# KiCad board SparkFun_Qwiic_WAV_Trigger_Pro_panelized.kicad_pcb (continued)
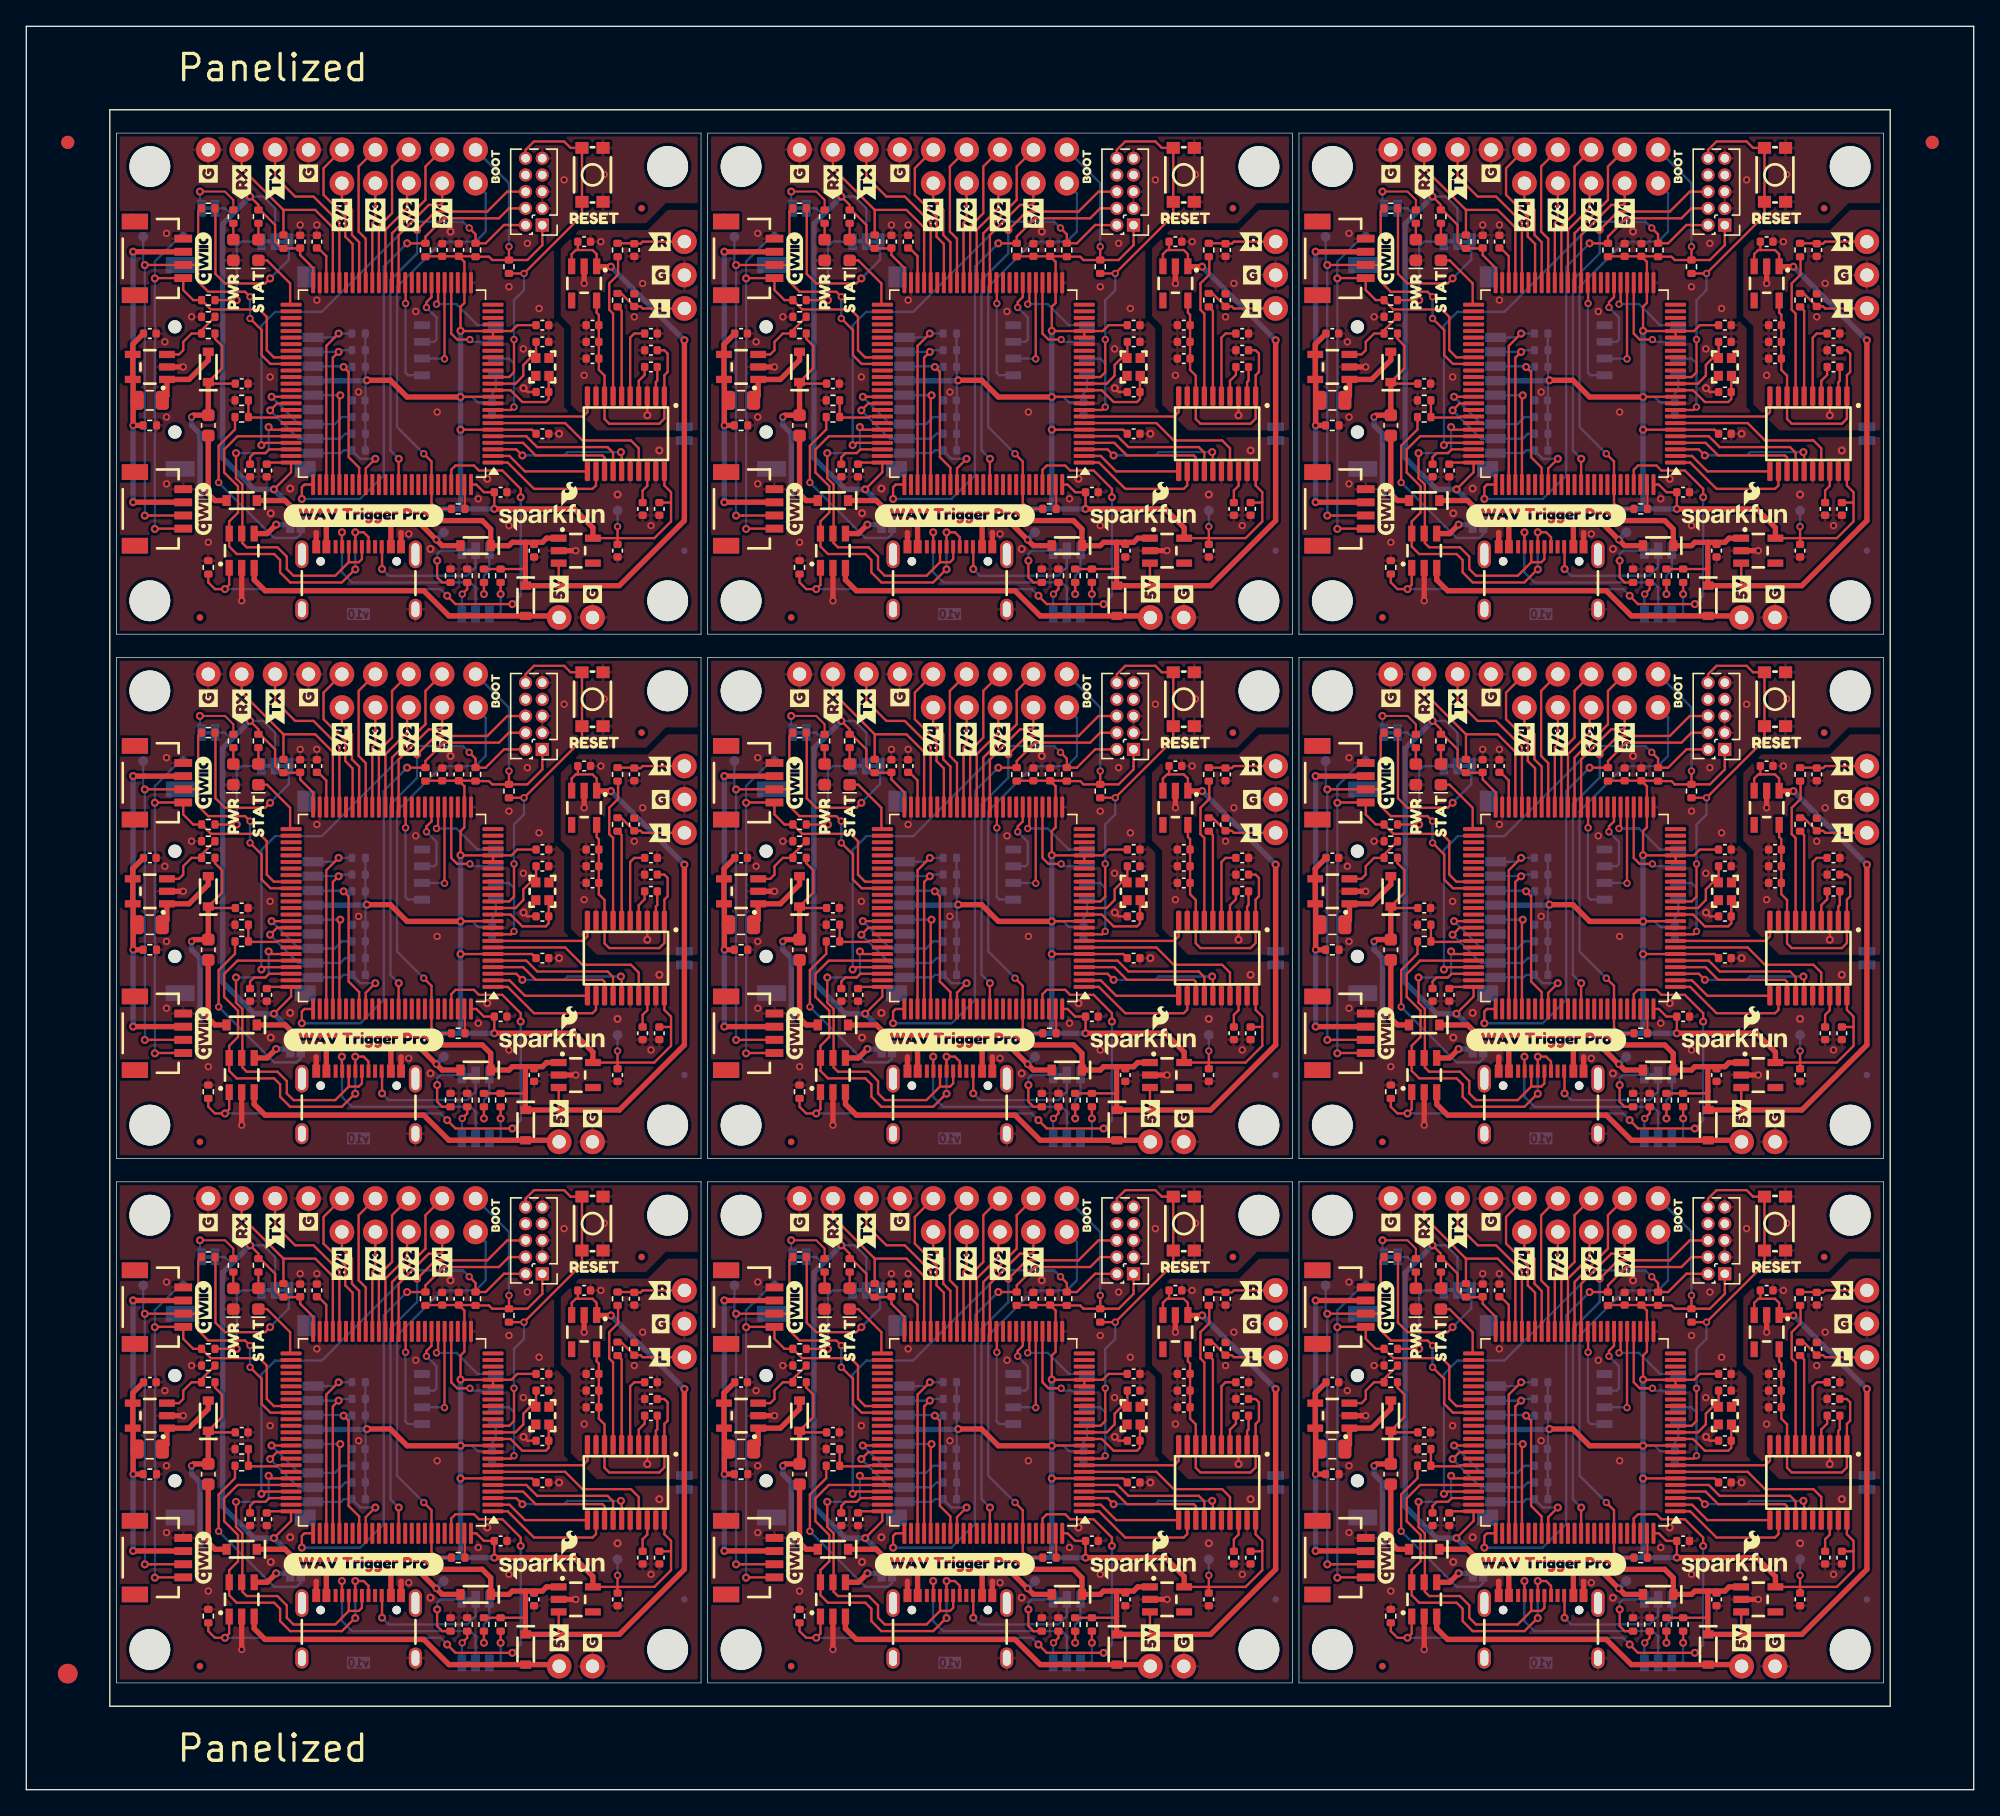
[diagram p0: board, top side]
## Routing (per net, layer and track width the routed paths; a pad name or vN(x,y) marks a point on that pad's centre or on a via; arc(x,y) is an arc through that point) (continued)
/CPU/~{RST}: length 247.5
  Top w0.178: v2(126.98,30.52) 126.98,28.03 126.61,27.67 U3#8.14 ; 81.64,115.29 R7#6.2 v2(82.79,115.29) 87.21,119.71 87.21,119.91 87.2,119.93 SW1#8.1 86.33,124.83 85.84,125.32 83.55,125.32 82.91,124.68 J7#6.10 ; 36.69,75.42 R7#3.2 v2(37.84,75.42) 42.26,79.84 42.26,80.04 42.24,80.06 SW1.1 42.24,84.97 41.38,84.97 40.89,85.45 38.6,85.45 37.95,84.81 J7.10 ; U3#6.14 81.66,107.41 82.03,107.77 v2(82.03,110.26) ; U3.14 126.61,107.41 126.98,107.77 v2(126.98,110.26) ; U3#4.14 36.71,107.41 37.08,107.77 v2(37.08,110.26) ; U3#3.14 36.71,67.54 37.08,67.9 v2(37.08,70.39) ; 81.64,35.55 R7#4.2 v2(82.79,35.55) 87.21,39.97 87.21,40.17 87.2,40.19 SW1#3.1 SW1#3.1 86.33,45.09 85.84,45.58 83.55,45.58 82.91,44.94 J7#3.10 ; J7#8.10 127.86,124.68 128.5,125.32 130.79,125.32 131.28,124.83 SW1#7.1 132.14,119.93 132.16,119.91 132.16,119.71 v2(127.74,115.29) R7#8.2 126.59,115.29 ; 126.59,35.55 R7#2.2 v2(127.74,35.55) 132.16,39.97 132.16,40.17 132.14,40.19 SW1#5.1 SW1#5.1 131.28,45.09 130.79,45.58 128.5,45.58 127.86,44.94 J7#2.10 ; J7#7.10 82.91,84.81 83.55,85.45 85.84,85.45 86.33,84.97 87.2,84.97 SW1#6.1 87.2,80.06 87.21,80.04 87.21,79.84 v2(82.79,75.42) R7#5.2 81.64,75.42 ; v2(82.03,30.52) 82.03,28.03 81.66,27.67 U3#2.14 ; U3#9.14 36.71,27.67 37.08,28.03 v2(37.08,30.52) ; J7#4.10 127.86,84.81 128.5,85.45 130.79,85.45 131.28,84.97 132.14,84.97 SW1#4.1 132.14,80.06 132.16,80.04 132.16,79.84 v2(127.74,75.42) R7#7.2 126.59,75.42 ; U3#7.14 126.61,67.54 126.98,67.9 v2(126.98,70.39) ; 36.69,115.29 R7.2 v2(37.84,115.29) 42.26,119.71 42.26,119.91 42.24,119.93 SW1#2.1 41.38,124.83 40.89,125.32 38.6,125.32 37.95,124.68 J7#5.10 ; 36.69,35.55 R7#9.2 v2(37.84,35.55) 42.26,39.97 42.26,40.17 42.24,40.19 SW1#9.1 SW1#9.1 41.38,45.09 40.89,45.58 38.6,45.58 37.95,44.94 J7#9.10 ; v2(82.03,70.39) 82.03,67.9 81.66,67.54 U3#5.14
  Bottom w0.178: v2(127.74,35.55) 127.74,35.55 127.74,34.28 126.98,33.52 v2(126.98,30.52) ; v2(37.08,30.52) 37.08,33.52 37.84,34.28 37.84,35.55 v2(37.84,35.55) ; v2(82.79,75.42) 82.79,75.42 82.79,74.15 82.03,73.39 v2(82.03,70.39) ; v2(82.03,110.26) 82.03,113.26 82.79,114.02 82.79,115.29 v2(82.79,115.29) ; v2(37.84,115.29) 37.84,115.29 37.84,114.02 37.08,113.26 v2(37.08,110.26) ; v2(82.79,35.55) 82.79,35.55 82.79,34.28 82.03,33.52 v2(82.03,30.52) ; v2(37.08,70.39) 37.08,73.39 37.84,74.15 37.84,75.42 v2(37.84,75.42) ; v2(126.98,70.39) 126.98,73.39 127.74,74.15 127.74,75.42 v2(127.74,75.42) ; v2(127.74,115.29) 127.74,115.29 127.74,114.02 126.98,113.26 v2(126.98,110.26)
LOUT: length 50.4
  Top w0.178: C23#3.1 91.65,33.04 91.8,32.88 J8#3.1 ; C23#3.1 90.18,34.03 R21#7.1 ; C23#3.1 91.14,33.01 ; R21#4.1 90.18,113.77 C23#7.1 ; R21#6.1 45.23,73.9 C23#6.1 ; C23#9.1 46.7,33.04 46.86,32.88 J8#9.1 ; C23#9.1 45.23,34.03 R21#9.1 ; C23#9.1 46.19,33.01 ; 91.14,72.88 C23#8.1 ; C23#8.1 91.65,72.91 91.8,72.75 J8#2.1 ; C23#8.1 90.18,73.9 R21#3.1 ; J8.1 46.86,112.62 46.7,112.78 C23#5.1 ; R21#2.1 45.23,113.77 C23#5.1 ; C23#4.1 135.13,73.9 R21#5.1 ; C23#4.1 136.09,72.88 ; C23#4.1 136.6,72.91 136.75,72.75 J8#5.1 ; C23#6.1 46.19,72.88 ; C23#6.1 46.7,72.91 46.86,72.75 J8#4.1 ; C23#5.1 46.19,112.75 ; 91.14,112.75 C23#7.1 ; C23#7.1 91.65,112.78 91.8,112.62 J8#8.1 ; C23.1 135.13,113.77 R21#8.1 ; C23.1 136.09,112.75 ; C23.1 136.6,112.78 136.75,112.62 J8#6.1 ; J8#7.1 136.75,32.88 136.6,33.04 C23#2.1 ; C23#2.1 135.13,34.03 R21.1 ; C23#2.1 136.09,33.01
ROUT: length 46.4
  Top w0.178: J8#9.3 46.86,37.96 46.7,37.81 C24#9.1 46.19,37.84 R22#9.1 ; R22#2.1 91.14,37.84 C24#4.1 91.65,37.81 91.8,37.96 J8#3.3 ; 94.98,117.7 91.8,117.7 91.65,117.55 C24#3.1 91.14,117.58 R22.1 ; J8#7.3 136.75,37.96 136.6,37.81 C24#7.1 136.09,37.84 R22#4.1 ; J8#4.3 46.86,77.83 46.7,77.68 C24#5.1 46.19,77.71 R22#5.1 ; J8#2.3 91.8,77.83 91.65,77.68 C24.1 91.14,77.71 R22#7.1 ; R22#3.1 136.09,117.58 C24#8.1 136.6,117.55 136.75,117.7 139.93,117.7 ; 50.03,117.7 46.86,117.7 46.7,117.55 C24#6.1 46.19,117.58 R22#6.1 ; R22#8.1 136.09,77.71 C24#2.1 136.6,77.68 136.75,77.83 J8#5.3
VOUT: length 54.3
  Top w0.406: D6#4.A 104.24,98.02 103.73,98.53 L2#7.2 ; D6#8.A 104.24,18.28 103.73,18.79 L2#8.2 ; L2#2.2 13.83,58.66 14.34,58.15 D6#2.A ; D6#3.A 59.29,58.15 58.79,58.66 L2#5.2 ; D6#7.A 104.24,58.15 103.73,58.66 L2#6.2 ; D6.A 14.34,98.02 13.83,98.53 L2#3.2 ; D6#5.A 59.29,98.02 58.79,98.53 L2.2 ; L2#4.2 58.79,18.79 59.29,18.28 D6#6.A ; D6#9.A 14.34,18.28 13.83,18.79 L2#9.2
VUSB: length 287.4
  Top w0.178: R26.2 105.77,23.69 104.52,22.45 v2(104.52,19.65) 104.57,19.6 ; 59.62,19.6 v2(59.57,19.65) 59.57,22.45 60.82,23.69 R26#3.2 ; 14.67,59.47 v2(14.62,59.52) 14.62,62.32 15.86,63.56 R26#6.2 ; R26#4.2 60.82,63.56 59.57,62.32 v2(59.57,59.52) 59.62,59.47 ; R26#9.2 15.86,23.69 14.62,22.45 v2(14.62,19.65) 14.67,19.6 ; R26#7.2 15.86,103.43 14.62,102.19 v2(14.62,99.39) 14.67,99.34 ; R26#2.2 105.77,63.56 104.52,62.32 v2(104.52,59.52) 104.57,59.47 ; R26#8.2 60.82,103.43 59.57,102.19 v2(59.57,99.39) 59.62,99.34 ; R26#5.2 105.77,103.43 104.52,102.19 v2(104.52,99.39) 104.57,99.34
  Top w0.406: D1.A 76.57,14.85 v2(76.12,15.3) 74.76,16.65 72.67,16.65 ; D1#9.A 31.61,14.85 v2(31.17,15.3) 29.81,16.65 27.71,16.65 ; D1#6.A 31.61,54.72 v2(31.17,55.17) 29.81,56.52 27.71,56.52 ; 72.67,96.39 74.76,96.39 v2(76.12,95.04) 76.57,94.59 D1#4.A ; 72.67,96.39 72.67,94.5 ; 72.67,96.39 v1(67.75,96.39) 67.77,94.5 ; J2#8.VBUS 72.67,56.52 ; 72.67,56.52 74.76,56.52 v2(76.12,55.17) 76.57,54.72 D1#8.A ; 72.67,56.52 v1(67.75,56.52) J2#8.VBUS ; 72.67,14.77 72.67,16.65 ; 72.67,16.65 v1(67.75,16.65) 67.77,14.77 ; 27.71,56.52 v1(22.8,56.52) J2.VBUS ; 27.71,56.52 J2.VBUS ; 22.82,14.77 v1(22.8,16.65) 27.71,16.65 ; 117.61,96.39 119.71,96.39 v2(121.07,95.04) 121.52,94.59 D1#7.A ; 117.61,96.39 117.61,94.5 ; 117.61,96.39 v1(112.7,96.39) 112.71,94.5 ; 27.71,16.65 27.71,14.77 ; D1#2.A 31.61,94.59 v2(31.17,95.04) 29.81,96.39 27.71,96.39 ; 27.71,96.39 27.71,94.5 ; 27.71,96.39 v1(22.8,96.39) 22.82,94.5 ; 117.61,16.65 v1(112.7,16.65) 112.71,14.77 ; 117.61,16.65 119.71,16.65 v2(121.07,15.3) 121.52,14.85 D1#3.A ; 117.61,16.65 117.61,14.77 ; J2#7.VBUS v1(112.7,56.52) 117.61,56.52 ; 117.61,56.52 119.71,56.52 v2(121.07,55.17) 121.52,54.72 D1#5.A ; 117.61,56.52 J2#7.VBUS
  Bottom w0.178: JP3#7.2 110.77,15.74 110.47,15.44 108.74,15.44 v2(104.52,19.65) ; v2(59.57,59.52) 63.79,55.31 65.52,55.31 65.82,55.61 JP3#6.2 ; v2(14.62,19.65) 18.84,15.44 20.57,15.44 20.87,15.74 JP3#9.2 ; JP3#8.2 110.77,55.61 110.47,55.31 108.74,55.31 v2(104.52,59.52) ; v2(14.62,59.52) 18.84,55.31 20.57,55.31 20.87,55.61 JP3#2.2 ; v2(59.57,99.39) 63.79,95.18 65.52,95.18 65.82,95.48 JP3#4.2 ; v2(14.62,99.39) 18.84,95.18 20.57,95.18 20.87,95.48 JP3#5.2 ; v2(59.57,19.65) 63.79,15.44 65.52,15.44 65.82,15.74 JP3#3.2 ; JP3.2 110.77,95.48 110.47,95.18 108.74,95.18 v2(104.52,99.39)
  Bottom w0.406: 112.75,16.5 110.82,16.5 JP3#7.2 ; TP3#6.1 v2(121.07,15.3) ; TP3#7.1 v2(76.12,15.3) ; 112.75,56.37 110.82,56.37 JP3#8.2 ; JP3#2.2 20.92,56.37 22.85,56.37 ; 22.85,16.5 20.92,16.5 JP3#9.2 ; 67.8,16.5 65.87,16.5 JP3#3.2 ; TP3#8.1 v2(121.07,55.17) ; JP3#4.2 65.87,96.24 67.8,96.24 ; JP3.2 110.82,96.24 112.75,96.24 ; 67.8,56.37 65.87,56.37 JP3#6.2 ; TP3#5.1 v2(76.12,95.04) ; TP3.1 v2(31.17,95.04) ; TP3#3.1 v2(76.12,55.17) ; TP3#4.1 v2(121.07,95.04) ; JP3#5.2 20.92,96.24 22.85,96.24 ; TP3#9.1 v2(31.17,15.3) ; TP3#2.1 v2(31.17,55.17)
Net-(C8-Pad1): length 26.9
  Top w0.178: 67.76,34.84 67.76,36.87 67.14,37.48 67.04,37.48 ; U3.48 112.7,116.61 112.09,117.22 C8#8.1 ; C8#3.1 67.14,77.35 67.76,76.74 U3#5.48 ; 22.09,37.48 22.19,37.48 22.8,36.87 22.8,34.84 ; C8#4.1 22.19,117.22 22.8,116.61 U3#4.48 ; C8#2.1 22.19,77.35 22.8,76.74 U3#3.48 ; 112.7,34.84 112.7,36.87 112.09,37.48 111.99,37.48 ; U3#7.48 112.7,76.74 112.09,77.35 C8#7.1 ; U3#6.48 67.76,116.61 67.14,117.22 C8.1
Net-(C13-Pad1): length 35.1
  Top w0.178: 110.03,22.17 108.36,22.17 108.08,21.89 107.21,21.89 106.91,21.58 C13#5.1 ; 20.13,62.04 18.46,62.04 18.18,61.76 17.31,61.76 17.01,61.45 C13.1 ; C13#3.1 61.96,61.45 62.26,61.76 63.13,61.76 63.41,62.04 U3#5.73 ; C13#9.1 17.01,21.58 17.31,21.89 18.18,21.89 18.46,22.17 20.13,22.17 ; C13#2.1 17.01,101.32 17.31,101.63 18.18,101.63 18.46,101.91 20.13,101.91 ; U3#2.73 63.41,22.17 63.13,21.89 62.26,21.89 61.96,21.58 C13#8.1 ; 110.03,101.91 108.36,101.91 108.08,101.63 107.21,101.63 106.91,101.32 C13#7.1 ; C13#6.1 106.91,61.45 107.21,61.76 108.08,61.76 108.36,62.04 110.03,62.04 ; C13#4.1 61.96,101.32 62.26,101.63 63.13,101.63 63.41,101.91 U3#6.73
Net-(C27-Pad1): length 146.5
  Top w0.178: R23#4.1 59.3,70.44 59.83,69.91 59.83,68.21 D5#3.C 58.91,67.04 C27#7.1 ; R23#9.1 14.35,30.57 14.88,30.04 14.88,28.34 D5#9.C 13.95,27.17 C27#9.1 ; R23#3.1 14.35,70.44 14.88,69.91 14.88,68.21 D5#8.C 13.95,67.04 C27#4.1 ; R23#6.1 104.24,70.44 104.78,69.91 104.78,68.21 D5.C 103.86,67.04 C27#2.1 ; R23#7.1 59.3,30.57 59.83,30.04 59.83,28.34 D5#7.C 58.91,27.17 C27#6.1 ; C27#3.1 13.95,106.91 D5#6.C 14.88,108.08 14.88,109.78 14.35,110.31 R23.1 ; R23#5.1 59.3,110.31 59.83,109.78 59.83,108.08 D5#2.C 58.91,106.91 C27.1 ; C27#8.1 103.86,27.17 D5#5.C 104.78,28.34 104.78,30.04 104.24,30.57 R23#2.1 ; C27#5.1 103.86,106.91 D5#4.C 104.78,108.08 104.78,109.78 104.24,110.31 R23#8.1
  Top w0.406: v2(12.57,104.37) 12.7,104.51 L2#3.1 D5#6.C ; D5#2.C L2.1 57.66,104.51 v2(57.52,104.37) ; v2(12.57,24.63) 12.7,24.77 L2#9.1 D5#9.C ; v2(57.52,24.63) 57.66,24.77 L2#4.1 D5#7.C ; D5#5.C L2#8.1 102.61,24.77 v2(102.46,24.63) ; v2(102.46,104.37) 102.61,104.51 L2#7.1 D5#4.C ; v2(12.57,64.5) 12.7,64.64 L2#2.1 D5#8.C ; v2(57.52,64.5) 57.66,64.64 L2#5.1 D5#3.C ; v2(102.46,64.5) 102.61,64.64 L2#6.1 D5.C
  Bottom w0.406: v2(57.52,104.37) 57.52,103.73 58.15,103.1 TP1#5.1 ; v2(12.57,104.37) 12.57,103.73 13.2,103.1 TP1#8.1 ; v2(57.52,24.63) 57.52,23.99 58.15,23.36 TP1#2.1 ; v2(102.46,104.37) 102.46,103.73 103.1,103.1 TP1#7.1 ; TP1.1 58.15,63.23 57.52,63.86 v2(57.52,64.5) ; TP1#9.1 13.2,23.36 12.57,23.99 v2(12.57,24.63) ; v2(102.46,24.63) 102.46,23.99 103.1,23.36 TP1#6.1 ; v2(12.57,64.5) 12.57,63.86 13.2,63.23 TP1#4.1 ; TP1#3.1 103.1,63.23 102.46,63.86 v2(102.46,64.5)
Net-(D3-A): length 11.2
  Top w0.178: R6#8.2 D3#3.2 ; R6#3.2 D3#6.2 ; R6#6.2 D3#4.2 ; R6#7.2 D3#8.2 ; R6#9.2 D3#9.2 ; R6#2.2 D3#5.2 ; R6#4.2 D3.2 ; R6#5.2 D3#2.2 ; R6.2 D3#7.2
Net-(D4-A): length 11.2
  Top w0.178: R19#5.2 D4#6.2 ; R19#9.2 D4#9.2 ; R19#3.2 D4#8.2 ; R19#8.2 D4#5.2 ; R19.2 D4#7.2 ; R19#6.2 D4#4.2 ; R19#4.2 D4#2.2 ; R19#7.2 D4#3.2 ; R19#2.2 D4.2
Net-(J2-CC1): length 151.4
  Top w0.178: 68.96,14.77 68.95,14.78 v1(68.95,15.87) ; J2#8.A5 68.95,54.66 v1(68.95,55.74) ; J2#7.A5 113.89,54.66 v1(113.89,55.74) ; 24.02,14.77 23.99,14.78 v1(23.99,15.87) ; 113.92,14.77 113.89,14.78 v1(113.89,15.87) ; 113.92,94.5 113.89,94.52 v1(113.89,95.61) ; v1(23.99,55.74) 23.99,54.66 J2.A5 ; v1(68.95,95.61) 68.95,94.52 68.96,94.5 ; 24.02,94.5 23.99,94.52 v1(23.99,95.61)
  Bottom w0.178: v1(23.99,55.74) 23.99,52.69 24.76,51.93 33.77,51.93 34.16,51.55 JP2#5.2 ; JP2.2 124.05,51.55 123.67,51.93 114.66,51.93 113.89,52.69 v1(113.89,55.74) ; v1(68.95,55.74) 68.95,52.69 69.71,51.93 78.72,51.93 79.11,51.55 JP2#7.2 ; JP2#9.2 34.16,11.68 33.77,12.06 24.76,12.06 23.99,12.82 v1(23.99,15.87) ; JP2#2.2 79.11,11.68 78.72,12.06 69.71,12.06 68.95,12.82 v1(68.95,15.87) ; JP2#4.2 124.05,11.68 123.67,12.06 114.66,12.06 113.89,12.82 v1(113.89,15.87) ; v1(23.99,95.61) 23.99,92.56 24.76,91.8 33.77,91.8 34.16,91.42 JP2#3.2 ; v1(113.89,95.61) 113.89,92.56 114.66,91.8 123.67,91.8 124.05,91.42 JP2#8.2 ; JP2#6.2 79.11,91.42 78.72,91.8 69.71,91.8 68.95,92.56 v1(68.95,95.61)
Net-(J2-CC2): length 95
  Top w0.178: v1(27.04,52.94) 27.04,54.61 J2.B5 ; J2#7.B5 116.94,54.61 v1(116.94,52.94) ; v1(71.99,92.81) 71.99,94.48 71.96,94.5 ; 27.02,14.77 27.04,14.74 v1(27.04,13.07) ; v1(71.99,52.94) 71.99,54.61 J2#8.B5 ; v1(27.04,92.81) 27.04,94.48 27.02,94.5 ; 71.96,14.77 71.99,14.74 v1(71.99,13.07) ; 116.92,94.5 116.94,94.48 v1(116.94,92.81) ; 116.92,14.77 116.94,14.74 v1(116.94,13.07)
  Bottom w0.178: JP1#9.2 34.16,13.2 33.52,12.56 27.55,12.56 v1(27.04,13.07) ; v1(116.94,52.94) 117.45,52.43 123.42,52.43 124.05,53.07 JP1#8.2 ; JP1#7.2 124.05,13.2 123.42,12.56 117.45,12.56 v1(116.94,13.07) ; v1(27.04,52.94) 27.55,52.43 33.52,52.43 34.16,53.07 JP1#4.2 ; JP1#2.2 124.05,92.94 123.42,92.3 117.45,92.3 v1(116.94,92.81) ; JP1.2 79.11,92.94 78.47,92.3 72.5,92.3 v1(71.99,92.81) ; v1(27.04,92.81) 27.55,92.3 33.52,92.3 34.16,92.94 JP1#3.2 ; v1(71.99,52.94) 72.5,52.43 78.47,52.43 79.11,53.07 JP1#6.2 ; v1(71.99,13.07) 72.5,12.56 78.47,12.56 79.11,13.2 JP1#5.2
Net-(J10-Pin_1): length 285.4
  Top w0.178: v2(75.17,21.84) 75.76,21.25 U3#2.94 75.76,18.07 76.18,17.64 R8#3.1 ; v2(120.12,61.71) 120.7,61.12 U3#7.94 120.7,57.94 121.13,57.52 R8#8.1 ; R8#7.1 121.13,17.64 120.7,18.07 U3#8.94 120.7,21.25 v2(120.12,21.84) ; R8#2.1 31.23,57.52 30.8,57.94 U3#3.94 30.8,61.12 v2(30.22,61.71) ; v2(75.17,61.71) 75.76,61.12 U3#5.94 75.76,57.94 76.18,57.52 R8#4.1 ; v2(120.12,101.58) 120.7,100.99 U3.94 120.7,97.81 121.13,97.38 R8.1 ; v2(30.22,101.58) 30.8,100.99 U3#4.94 30.8,97.81 31.23,97.38 R8#5.1 ; v2(30.22,21.84) 30.8,21.25 U3#9.94 30.8,18.07 31.23,17.64 R8#9.1 ; R8#6.1 76.18,97.38 75.76,97.81 U3#6.94 75.76,100.99 v2(75.17,101.58)
  Bottom w0.178: J10#3.1 34.92,121.39 34.92,118.47 34.16,117.7 31.61,117.7 28.19,114.28 28.19,103.61 v2(30.22,101.58) ; v2(120.12,61.71) 118.09,63.74 118.09,74.41 121.52,77.83 124.05,77.83 124.82,78.6 124.82,81.52 J10#7.1 ; J10#5.1 79.87,121.39 79.87,118.47 79.11,117.7 76.57,117.7 73.14,114.28 73.14,103.61 v2(75.17,101.58) ; v2(120.12,21.84) 118.09,23.87 118.09,34.54 121.52,37.96 124.05,37.96 124.82,38.73 124.82,41.65 J10#6.1 ; J10#8.1 124.82,121.39 124.82,118.47 124.05,117.7 121.52,117.7 118.09,114.28 118.09,103.61 v2(120.12,101.58) ; J10#4.1 79.87,81.52 79.87,78.6 79.11,77.83 76.57,77.83 73.14,74.41 73.14,63.74 v2(75.17,61.71) ; J10#2.1 34.92,81.52 34.92,78.6 34.16,77.83 31.61,77.83 28.19,74.41 28.19,63.74 v2(30.22,61.71) ; J10.1 79.87,41.65 79.87,38.73 79.11,37.96 76.57,37.96 73.14,34.54 73.14,23.87 v2(75.17,21.84) ; v2(30.22,21.84) 28.19,23.87 28.19,34.54 31.61,37.96 34.16,37.96 34.92,38.73 34.92,41.65 J10#9.1
Net-(JP1-A): length 44.4
  Top w0.178: v1(121.13,53.58) 121.13,52.31 121.52,51.92 122.15,51.92 ; v1(76.18,13.71) 76.18,12.44 76.57,12.05 R3#2.1 ; v1(31.23,13.71) 31.23,12.44 31.62,12.05 R3#9.1 ; 77.2,51.92 76.57,51.92 76.18,52.31 v1(76.18,53.58) ; R3#8.1 121.52,91.79 121.13,92.18 v1(121.13,93.45) ; v1(31.23,93.45) 31.23,92.18 31.62,91.79 R3#3.1 ; 32.25,51.92 31.62,51.92 31.23,52.31 v1(31.23,53.58) ; v1(121.13,13.71) 121.13,12.44 121.52,12.05 R3#6.1 ; v1(76.18,93.45) 76.18,92.18 76.57,91.79 R3.1
  Bottom w0.178: v1(76.18,53.58) 76.18,54.09 76.44,54.34 JP1#6.1 ; JP1#8.1 121.39,54.34 121.13,54.09 v1(121.13,53.58) ; v1(76.18,93.45) 76.18,93.96 76.44,94.21 JP1.1 ; v1(31.23,53.58) 31.23,54.09 31.49,54.34 JP1#4.1 ; JP1#7.1 121.39,14.47 121.13,14.22 v1(121.13,13.71) ; JP1#3.1 31.49,94.21 31.23,93.96 v1(31.23,93.45) ; v1(121.13,93.45) 121.13,93.96 121.39,94.21 JP1#2.1 ; JP1#5.1 76.44,14.47 76.18,14.22 v1(76.18,13.71) ; JP1#9.1 31.49,14.47 31.23,14.22 v1(31.23,13.71)
Net-(JP1-B): length 39.2
  Top w0.178: R2#6.1 v1(79.74,11.17) ; R2.1 v1(124.69,11.17) ; 79.74,51.92 v1(79.74,51.04) ; 34.79,51.92 v1(34.79,51.04) ; R2#5.1 v1(34.79,90.91) ; R2#7.1 v1(124.69,90.91) ; R2#9.1 v1(34.79,11.17) ; 124.69,51.92 v1(124.69,51.04) ; R2#3.1 v1(79.74,90.91)
  Bottom w0.178: v1(34.79,11.17) 34.79,12.56 35.2,12.97 JP1#9.3 ; JP1#2.3 125.1,92.71 124.69,92.3 v1(124.69,90.91) ; JP1#3.3 35.2,92.71 34.79,92.3 v1(34.79,90.91) ; JP1.3 80.15,92.71 79.74,92.3 v1(79.74,90.91) ; JP1#7.3 125.1,12.97 124.69,12.56 v1(124.69,11.17) ; v1(79.74,11.17) 79.74,12.56 80.15,12.97 JP1#5.3 ; JP1#4.3 35.2,52.84 34.79,52.43 v1(34.79,51.04) ; JP1#8.3 125.1,52.84 124.69,52.43 v1(124.69,51.04) ; v1(79.74,51.04) 79.74,52.43 80.15,52.84 JP1#6.3
Net-(JP2-A): length 23.2
  Top w0.178: v2(123.04,51.04) 123.42,51.42 123.42,51.92 ; v2(123.04,90.91) 123.42,91.29 R5#7.1 ; v2(123.04,11.17) 123.42,11.55 R5#8.1 ; v2(78.09,51.04) 78.47,51.42 78.47,51.92 ; v2(33.14,51.04) 33.52,51.42 33.52,51.92 ; R5#4.1 78.47,11.55 v2(78.09,11.17) ; R5#9.1 33.52,11.55 v2(33.14,11.17) ; R5.1 78.47,91.29 v2(78.09,90.91) ; R5#3.1 33.52,91.29 v2(33.14,90.91)
  Bottom w0.178: JP2#5.1 33.11,51.01 v2(33.14,51.04) ; JP2.1 123.01,51.01 v2(123.04,51.04) ; v2(78.09,51.04) 78.06,51.01 JP2#7.1 ; v2(78.09,11.17) 78.06,11.14 JP2#2.1 ; v2(33.14,11.17) 33.11,11.14 JP2#9.1 ; JP2#8.1 123.01,90.88 v2(123.04,90.91) ; v2(78.09,90.91) 78.06,90.88 JP2#6.1 ; v2(123.04,11.17) 123.01,11.14 JP2#4.1 ; JP2#3.1 33.11,90.88 v2(33.14,90.91)
Net-(JP2-B): length 28.8
  Top w0.178: R4.1 v1(36.06,90.91) ; R4#9.1 v1(36.06,11.17) ; R4#5.1 v1(81.01,90.91) ; 36.06,51.92 v1(36.06,51.04) ; 81.01,51.92 v1(81.01,51.04) ; R4#8.1 v1(125.96,90.91) ; R4#6.1 v1(125.96,11.17) ; 125.96,51.92 v1(125.96,51.04) ; R4#4.1 v1(81.01,11.17)
  Bottom w0.178: v1(36.06,11.17) 36.06,9.77 35.93,9.64 JP2#9.3 ; JP2#4.3 125.83,9.64 125.96,9.77 v1(125.96,11.17) ; v1(36.06,51.04) 36.06,49.64 35.93,49.51 JP2#5.3 ; JP2#3.3 35.93,89.38 36.06,89.51 v1(36.06,90.91) ; v1(81.01,90.91) 81.01,89.51 80.88,89.38 JP2#6.3 ; v1(81.01,51.04) 81.01,49.64 80.88,49.51 JP2#7.3 ; JP2#2.3 80.88,9.64 81.01,9.77 v1(81.01,11.17) ; v1(125.96,51.04) 125.96,49.64 125.83,49.51 JP2.3 ; v1(125.96,90.91) 125.96,89.51 125.83,89.38 JP2#8.3
Net-(JP3-A): length 27.1
  Top w0.406: v1(18.99,96.19) 18.31,95.51 U1#7.4 ; v1(108.89,96.19) 108.21,95.51 U1#5.4 ; v1(108.89,56.32) 108.21,55.64 U1#8.4 ; v1(63.94,96.19) 63.26,95.51 U1#3.4 ; U1#6.4 108.21,15.77 v1(108.89,16.45) ; v1(18.99,16.45) 18.31,15.77 U1#9.4 ; U1.4 18.31,55.64 v1(18.99,56.32) ; v1(63.94,56.32) 63.26,55.64 U1#4.4 ; U1#2.4 63.26,15.77 v1(63.94,16.45)
  Bottom w0.406: v1(18.99,96.19) JP3#5.1 ; v1(108.89,16.45) JP3#7.1 ; v1(63.94,56.32) 65.01,56.32 ; v1(63.94,96.19) 65.01,96.19 ; v1(18.99,56.32) JP3#2.1 ; v1(108.89,56.32) JP3#8.1 ; v1(108.89,96.19) JP3.1 ; v1(63.94,16.45) 65.01,16.45 ; v1(18.99,16.45) JP3#9.1
Net-(JP4-A): length 45
  Top w0.152: v1(13.2,41.77) 15.11,41.77 15.74,41.14 R6#9.1 ; R6#5.1 15.74,81.01 15.11,81.64 v1(13.2,81.64) ; R6#8.1 105.64,120.88 105.01,121.51 v1(103.1,121.51) ; R6#7.1 105.64,41.14 105.01,41.77 v1(103.1,41.77) ; v1(103.1,81.64) 105.01,81.64 105.64,81.01 R6#6.1 ; v1(58.15,41.77) 60.05,41.77 60.69,41.14 R6#2.1 ; v1(58.15,121.51) 60.05,121.51 60.69,120.88 R6.1 ; v1(13.2,121.51) 15.11,121.51 15.74,120.88 R6#4.1 ; R6#3.1 60.69,81.01 60.05,81.64 v1(58.15,81.64)
  Top w0.178: R6#9.1 15.61,40.38 ; R6#3.1 60.57,80.25 ; R6#5.1 15.61,80.25 ; R6#7.1 105.52,40.38 ; R6#8.1 105.52,120.12 ; R6.1 60.57,120.12 ; R6#6.1 105.52,80.25 ; R6#2.1 60.57,40.38 ; R6#4.1 15.61,120.12
  Bottom w0.152: JP4#3.1 103.1,120.36 v1(103.1,121.51) ; v1(13.2,121.51) 13.2,120.36 JP4#5.1 ; v1(103.1,81.64) 103.1,80.49 JP4#8.1 ; JP4#9.1 13.2,40.62 v1(13.2,41.77) ; JP4#7.1 58.15,120.36 v1(58.15,121.51) ; JP4.1 103.1,40.62 v1(103.1,41.77) ; v1(58.15,41.77) 58.15,40.62 JP4#4.1 ; JP4#2.1 13.2,80.49 v1(13.2,81.64) ; v1(58.15,81.64) 58.15,80.49 JP4#6.1
Net-(JP5-A): length 117
  Top w0.178: v1(108.43,75.04) 108.05,74.66 105.01,74.66 104.28,75.38 104.28,80.34 R15#7.1 ; v1(63.48,75.04) 63.1,74.66 60.05,74.66 59.33,75.38 59.33,80.34 R15#4.1 ; R15#6.1 104.28,40.47 104.28,35.51 105.01,34.79 108.05,34.79 v1(108.43,35.17) ; v1(63.48,114.91) 63.1,114.53 60.05,114.53 59.33,115.25 59.33,120.21 R15#5.1 ; R15#2.1 14.38,120.21 14.38,115.25 15.11,114.53 18.15,114.53 v1(18.53,114.91) ; R15#8.1 104.28,120.21 104.28,115.25 105.01,114.53 108.05,114.53 v1(108.43,114.91) ; R15.1 14.38,80.34 14.38,75.38 15.11,74.66 18.15,74.66 v1(18.53,75.04) ; R15#9.1 14.38,40.47 14.38,35.51 15.11,34.79 18.15,34.79 v1(18.53,35.17) ; v1(63.48,35.17) 63.1,34.79 60.05,34.79 59.33,35.51 59.33,40.47 R15#3.1
  Bottom w0.178: JP5#3.1 109.86,76.46 v1(108.43,75.04) ; JP5#2.1 19.96,76.46 v1(18.53,75.04) ; v1(63.48,75.04) 64.91,76.46 JP5#4.1 ; JP5#5.1 19.96,116.33 v1(18.53,114.91) ; JP5#8.1 109.86,116.33 v1(108.43,114.91) ; JP5#6.1 109.86,36.59 v1(108.43,35.17) ; v1(63.48,114.91) 64.91,116.33 JP5.1 ; JP5#7.1 64.91,36.59 v1(63.48,35.17) ; v1(18.53,35.17) 19.96,36.59 JP5#9.1
Net-(JP5-B): length 69.8
  Top w0.178: R11.1 v1(60.94,73.39) ; R11#4.1 v1(60.94,33.52) ; R11#8.1 v1(15.99,113.26) ; R11#9.1 v1(15.99,33.52) ; R11#2.1 v1(15.99,73.39) ; R11#5.1 v1(105.89,113.26) ; R11#3.1 v1(105.89,73.39) ; R11#6.1 v1(60.94,113.26) ; R11#7.1 v1(105.89,33.52)
  Bottom w0.178: v1(15.99,73.39) 15.99,77.45 16.38,77.83 JP5#2.3 ; v1(60.94,73.39) 60.94,77.45 61.33,77.83 JP5#4.3 ; JP5#3.3 106.27,77.83 105.89,77.45 v1(105.89,73.39) ; JP5#7.3 61.33,37.96 60.94,37.58 v1(60.94,33.52) ; JP5#6.3 106.27,37.96 105.89,37.58 v1(105.89,33.52) ; JP5#8.3 106.27,117.7 105.89,117.32 v1(105.89,113.26) ; v1(15.99,113.26) 15.99,117.32 16.38,117.7 JP5#5.3 ; JP5#9.3 16.38,37.96 15.99,37.58 v1(15.99,33.52) ; JP5.3 61.33,117.7 60.94,117.32 v1(60.94,113.26)
Net-(U3-PH0): length 58.3
  Top w0.178: U3#4.12 36.81,106.41 37.71,105.51 39.49,105.51 39.71,105.74 C11#8.2 39.71,107.48 39.73,107.5 ; U3.12 126.71,106.41 127.61,105.51 129.39,105.51 129.62,105.74 C11#7.2 129.62,107.48 129.63,107.5 ; U3#2.12 81.76,26.67 82.66,25.77 84.44,25.77 84.67,26 C11.2 84.67,27.74 Y1#4.2 ; U3#6.12 81.76,106.41 82.66,105.51 84.44,105.51 84.67,105.74 C11#5.2 84.67,107.48 84.68,107.5 ; U3#7.12 126.71,66.54 127.61,65.64 129.39,65.64 129.62,65.87 C11#6.2 129.62,67.61 Y1#8.2 ; U3#9.12 36.81,26.67 37.71,25.77 39.49,25.77 39.71,26 C11#9.2 39.71,27.74 Y1#9.2 ; U3#3.12 36.81,66.54 37.71,65.64 39.49,65.64 39.71,65.87 C11#2.2 39.71,67.61 Y1.2 ; U3#5.12 81.76,66.54 82.66,65.64 84.44,65.64 84.67,65.87 C11#3.2 84.67,67.61 Y1#5.2 ; U3#8.12 126.71,26.67 127.61,25.77 129.39,25.77 129.62,26 C11#4.2 129.62,27.74 Y1#7.2
Net-(U3-PH1): length 52
  Top w0.178: C12.2 38.76,69 38.73,68.98 38.31,68.98 37.79,68.46 37.79,67.65 37.19,67.04 U3#3.13 ; C12#4.2 128.66,108.88 Y1#6.1 128.21,108.85 127.69,108.33 127.69,107.52 127.09,106.91 U3.13 ; C12#9.2 38.76,29.13 Y1#9.1 38.31,29.11 37.79,28.59 37.79,27.78 37.19,27.17 U3#9.13 ; U3#5.13 82.14,67.04 82.74,67.65 82.74,68.46 83.26,68.98 83.68,68.98 83.7,69 C12#2.2 ; U3#6.13 82.14,106.91 82.74,107.52 82.74,108.33 83.26,108.85 Y1#2.1 83.7,108.88 C12#8.2 ; C12#7.2 128.66,29.13 Y1#7.1 128.21,29.11 127.69,28.59 127.69,27.78 127.09,27.17 U3#8.13 ; U3#7.13 127.09,67.04 127.69,67.65 127.69,68.46 128.21,68.98 128.63,68.98 128.66,69 C12#3.2 ; C12#5.2 83.7,29.13 Y1#4.1 83.26,29.11 82.74,28.59 82.74,27.78 82.14,27.17 U3#2.13 ; U3#4.13 37.19,106.91 37.79,107.52 37.79,108.33 38.31,108.85 Y1#3.1 38.76,108.88 C12#6.2
Net-(U5-CAPM): length 21.6
  Top w0.178: C21#6.2 136.91,67.7 136.46,67.25 U5#3.4 ; U5.4 46.56,67.25 47.01,67.7 C21#2.2 ; U5#5.4 136.46,27.38 136.91,27.83 C21#5.2 ; 91.96,28.44 91.96,27.83 91.51,27.38 U5#6.4 ; U5#8.4 136.46,107.12 136.91,107.57 C21#7.2 ; 91.96,68.31 91.96,67.7 91.51,67.25 U5#7.4 ; U5#4.4 46.56,107.12 47.01,107.57 C21#8.2 ; C21#9.2 47.01,27.83 46.56,27.38 U5#9.4 ; 91.96,108.18 91.96,107.57 91.51,107.12 U5#2.4
Net-(U5-CAPP): length 20.4
  Top w0.178: C21#3.1 92.92,27.4 92.81,27.29 U5#6.2 ; U5#3.2 137.76,67.16 137.87,67.27 C21#6.1 ; 47.97,68.31 47.97,67.27 47.86,67.16 U5.2 ; U5#2.2 92.81,107.03 92.92,107.14 C21.1 ; C21#4.1 92.92,67.27 92.81,67.16 U5#7.2 ; 47.97,108.18 47.97,107.14 47.86,107.03 U5#4.2 ; C21#5.1 137.87,27.4 137.76,27.29 U5#5.2 ; U5#9.2 47.86,27.29 47.97,27.4 47.97,28.44 ; C21#7.1 137.87,107.14 137.76,107.03 U5#8.2
Net-(U5-LDOO): length 22.7
  Top w0.178: 136.75,57.99 136.75,58.91 137.11,59.27 U5#3.18 ; 91.8,57.99 91.8,58.91 92.16,59.27 U5#7.18 ; U5#8.18 137.11,99.14 136.75,98.78 136.75,97.86 ; 46.86,57.99 46.86,58.91 47.21,59.27 U5.18 ; 46.86,97.86 46.86,98.78 47.21,99.14 U5#4.18 ; U5#5.18 137.11,19.4 136.75,19.04 C22#2.1 ; U5#6.18 92.16,19.4 91.8,19.04 C22#6.1 ; U5#9.18 47.21,19.4 46.86,19.04 C22#9.1 ; 91.8,97.86 91.8,98.78 92.16,99.14 U5#2.18
Net-(U5-OUTL): length 62.2
  Top w0.178: R21#5.2 135.16,72.57 U5#3.6 ; U5#9.6 45.26,32.7 R21#9.2 ; U5#2.6 90.21,112.44 R21#4.2 ; R21.2 135.16,32.7 U5#5.6 ; R21#3.2 90.21,72.57 U5#7.6 ; R21#7.2 90.21,32.7 U5#6.6 ; R21#6.2 45.26,72.57 U5.6 ; U5#4.6 45.26,112.44 R21#2.2 ; U5#8.6 135.16,112.44 R21#8.2
Net-(U5-OUTR): length 99.1
  Top w0.178: R22#8.2 134.89,76.65 134.89,75.33 134.21,74.66 134.21,72.66 134.51,72.36 U5#3.7 ; U5#5.7 134.51,32.49 134.21,32.79 134.21,34.79 134.89,35.46 134.89,36.78 R22#4.2 ; U5#4.7 44.61,112.23 44.32,112.53 44.32,114.53 44.99,115.2 44.99,116.52 R22#6.2 ; U5.7 44.61,72.36 44.32,72.66 44.32,74.66 44.99,75.33 44.99,76.65 R22#5.2 ; R22.2 89.94,116.52 89.94,115.2 89.27,114.53 89.27,112.53 89.56,112.23 89.56,105.96 ; R22#2.2 89.94,36.78 89.94,35.46 89.27,34.79 89.27,32.79 89.56,32.49 89.56,26.22 ; R22#9.2 44.99,36.78 44.99,35.46 44.32,34.79 44.32,32.79 44.61,32.49 U5#9.7 ; R22#7.2 89.94,76.65 89.94,75.33 89.27,74.66 89.27,72.66 89.56,72.36 89.56,66.09 ; R22#3.2 134.89,116.52 134.89,115.2 134.21,114.53 134.21,112.53 134.51,112.23 U5#8.7
Net-(U5-VNEG): length 51.1
  Top w0.178: 91.96,30.98 91.17,30.98 90.86,30.67 U5#6.5 ; U5#8.5 135.81,110.41 136.12,110.72 C20#7.1 ; C20#8.1 136.12,70.85 135.81,70.54 U5#3.5 ; U5#5.5 135.81,30.67 136.12,30.98 C20.1 ; 45.91,105.96 45.91,110.41 46.22,110.72 C20#3.1 ; U5#2.5 90.86,110.41 91.17,110.72 91.96,110.72 ; 45.91,26.22 45.91,30.67 46.22,30.98 C20#9.1 ; C20#2.1 46.22,70.85 45.91,70.54 45.91,66.09 ; 91.96,70.85 91.17,70.85 90.86,70.54 U5#7.5
Net-(U6-FB): length 48.2
  Top w0.178: R24#3.1 103.23,71.1 R23#6.2 102.46,70.85 101.83,70.22 101.83,69.58 101.51,69.26 U6#7.3 ; U6#6.3 101.51,29.39 101.83,29.71 101.83,30.34 102.46,30.98 R23#2.2 103.23,31.23 R24#4.1 ; R24#6.1 13.33,71.1 R23#3.2 12.57,70.85 11.93,70.22 11.93,69.58 11.61,69.26 U6#8.3 ; R24#7.1 58.27,71.1 R23#4.2 57.52,70.85 56.88,70.22 56.88,69.58 56.56,69.26 U6#5.3 ; R24#8.1 103.23,110.97 R23#8.2 102.46,110.72 101.83,110.08 101.83,109.45 101.51,109.13 U6#4.3 ; R24#5.1 58.27,31.23 R23#7.2 57.52,30.98 56.88,30.34 56.88,29.71 56.56,29.39 U6#2.3 ; U6#3.3 56.56,109.13 56.88,109.45 56.88,110.08 57.52,110.72 R23#5.2 58.27,110.97 R24#2.1 ; R24#9.1 13.33,31.23 R23#9.2 12.57,30.98 11.93,30.34 11.93,29.71 11.61,29.39 U6#9.3 ; R24.1 13.33,110.97 R23.2 12.57,110.72 11.93,110.08 11.93,109.45 11.61,109.13 U6.3
Net-(U6-SW): length 55.1
  Top w0.406: 55.29,65.77 55.64,66.12 U6#5.1 57.32,67.36 58.79,68.82 D5#3.A ; D5.A 103.73,68.82 102.27,67.36 U6#7.1 100.59,66.12 L1#8.2 ; 55.29,105.64 55.64,105.99 U6#3.1 57.32,107.23 58.79,108.69 D5#2.A ; D5#7.A 58.79,28.95 57.32,27.49 U6#2.1 55.64,26.25 55.29,25.9 ; L1#5.2 10.69,105.99 U6.1 12.37,107.23 13.83,108.69 D5#6.A ; D5#4.A 103.73,108.69 102.27,107.23 U6#4.1 100.59,105.99 L1#7.2 ; L1#9.2 10.69,26.25 U6#9.1 12.37,27.49 13.83,28.95 D5#9.A ; L1#4.2 10.69,66.12 U6#8.1 12.37,67.36 13.83,68.82 D5#8.A ; D5#5.A 103.73,28.95 102.27,27.49 U6#6.1 100.59,26.25 L1#6.2
unconnected-(U3-PA3-Pad25): length 0.7
  Top w0.178: 35.42,73.09 U3#3.25 ; 125.33,73.09 U3#7.25 ; 80.38,73.09 U3#5.25 ; 125.33,33.22 U3#8.25 ; 80.38,33.22 U3#2.25 ; 35.42,33.22 U3#9.25 ; 125.33,112.96 U3.25 ; 35.42,112.96 U3#4.25 ; 80.38,112.96 U3#6.25

## Copper pours and planes (outline as drawn; the poured copper is in the pictures)
GND on Top, Bottom: 96.25,102.85 88.12,102.85 85.84,105.13 85.84,111.1 85.07,111.86 85.07,117.32 86.83,119.1 92.06,119.1 93.58,120.64 96.25,120.63 96.25,125.96 51.8,125.96 51.8,87.86 96.25,87.86
GND on Top, Bottom: 96.25,23.11 88.12,23.11 85.84,25.39 85.84,31.36 85.07,32.12 85.07,37.58 86.83,39.36 92.06,39.36 93.58,40.9 96.25,40.89 96.25,46.22 51.8,46.22 51.8,8.12 96.25,8.12
GND on Top, Bottom: 51.3,102.85 43.17,102.85 40.89,105.13 40.89,111.1 40.12,111.86 40.12,117.32 41.88,119.1 47.11,119.1 48.63,120.64 51.3,120.63 51.3,125.96 6.85,125.96 6.85,87.86 51.3,87.86
GND on Top, Bottom: 51.3,62.98 43.17,62.98 40.89,65.26 40.89,71.23 40.12,71.99 40.12,77.45 41.88,79.23 47.11,79.23 48.63,80.77 51.3,80.76 51.3,86.09 6.85,86.09 6.85,47.99 51.3,47.99
GND on Top, Bottom: 141.2,62.98 133.07,62.98 130.79,65.26 130.79,71.23 130.02,71.99 130.02,77.45 131.78,79.23 137.01,79.23 138.53,80.77 141.2,80.76 141.2,86.09 96.75,86.09 96.75,47.99 141.2,47.99
GND on Top, Bottom: 141.2,102.85 133.07,102.85 130.79,105.13 130.79,111.1 130.02,111.86 130.02,117.32 131.78,119.1 137.01,119.1 138.53,120.64 141.2,120.63 141.2,125.96 96.75,125.96 96.75,87.86 141.2,87.86
GND on Top, Bottom: 96.25,62.98 88.12,62.98 85.84,65.26 85.84,71.23 85.07,71.99 85.07,77.45 86.83,79.23 92.06,79.23 93.58,80.77 96.25,80.76 96.25,86.09 51.8,86.09 51.8,47.99 96.25,47.99
GND on Top, Bottom: 141.2,23.11 133.07,23.11 130.79,25.39 130.79,31.36 130.02,32.12 130.02,37.58 131.78,39.36 137.01,39.36 138.53,40.9 141.2,40.89 141.2,46.22 96.75,46.22 96.75,8.12 141.2,8.12
GND on Top, Bottom: 51.3,23.11 43.17,23.11 40.89,25.39 40.89,31.36 40.12,32.12 40.12,37.58 41.88,39.36 47.11,39.36 48.63,40.9 51.3,40.89 51.3,46.22 6.85,46.22 6.85,8.12 51.3,8.12
GNDA on Top, Bottom: 141.2,103.35 133.28,103.35 131.29,105.34 131.29,111.28 130.53,112.04 130.53,117.2 131.93,118.59 137.14,118.59 138.66,120.12 141.2,120.12
GNDA on Top, Bottom: 96.25,23.61 88.33,23.61 86.34,25.6 86.34,31.54 85.58,32.3 85.58,37.46 86.98,38.85 92.19,38.85 93.71,40.38 96.25,40.38
GNDA on Top, Bottom: 96.25,63.48 88.33,63.48 86.34,65.47 86.34,71.41 85.58,72.17 85.58,77.33 86.98,78.72 92.19,78.72 93.71,80.25 96.25,80.25
GNDA on Top, Bottom: 141.2,63.48 133.28,63.48 131.29,65.47 131.29,71.41 130.53,72.17 130.53,77.33 131.93,78.72 137.14,78.72 138.66,80.25 141.2,80.25
GNDA on Top, Bottom: 51.3,103.35 43.38,103.35 41.39,105.34 41.39,111.28 40.63,112.04 40.63,117.2 42.03,118.59 47.24,118.59 48.76,120.12 51.3,120.12
GNDA on Top, Bottom: 51.3,63.48 43.38,63.48 41.39,65.47 41.39,71.41 40.63,72.17 40.63,77.33 42.03,78.72 47.24,78.72 48.76,80.25 51.3,80.25
GNDA on Top, Bottom: 51.3,23.61 43.38,23.61 41.39,25.6 41.39,31.54 40.63,32.3 40.63,37.46 42.03,38.85 47.24,38.85 48.76,40.38 51.3,40.38
GNDA on Top, Bottom: 96.25,103.35 88.33,103.35 86.34,105.34 86.34,111.28 85.58,112.04 85.58,117.2 86.98,118.59 92.19,118.59 93.71,120.12 96.25,120.12
GNDA on Top, Bottom: 141.2,23.61 133.28,23.61 131.29,25.6 131.29,31.54 130.53,32.3 130.53,37.46 131.93,38.85 137.14,38.85 138.66,40.38 141.2,40.38

## Text on the board
Bottom: v10
User.Comments: ROUTE OUT | V-SCORE
F.Fab: Layers: 2 | Solder Mask: Red | Silkscreen Color: White | Thickness: 1.6mm | Finish: HASL Lead free | Outer Copper Weight: 1oz | Ordering Notes
F.Silkscreen: Panelized
